# Altium PCB AVALON2_21b.PcbDoc (part 2 of 7)
Units mil, origin at the board's own origin, x right, y up, seen from the top; angles counter-clockwise.
Board outline 5250 x 3000 mil, 4 copper layers (Top Layer, Mid-Layer 1, Mid-Layer 2, Bottom Layer); 460 components, 80 nets, 2011 pads, 1492 vias.
Unrouted connection lines stored in the file: 78.
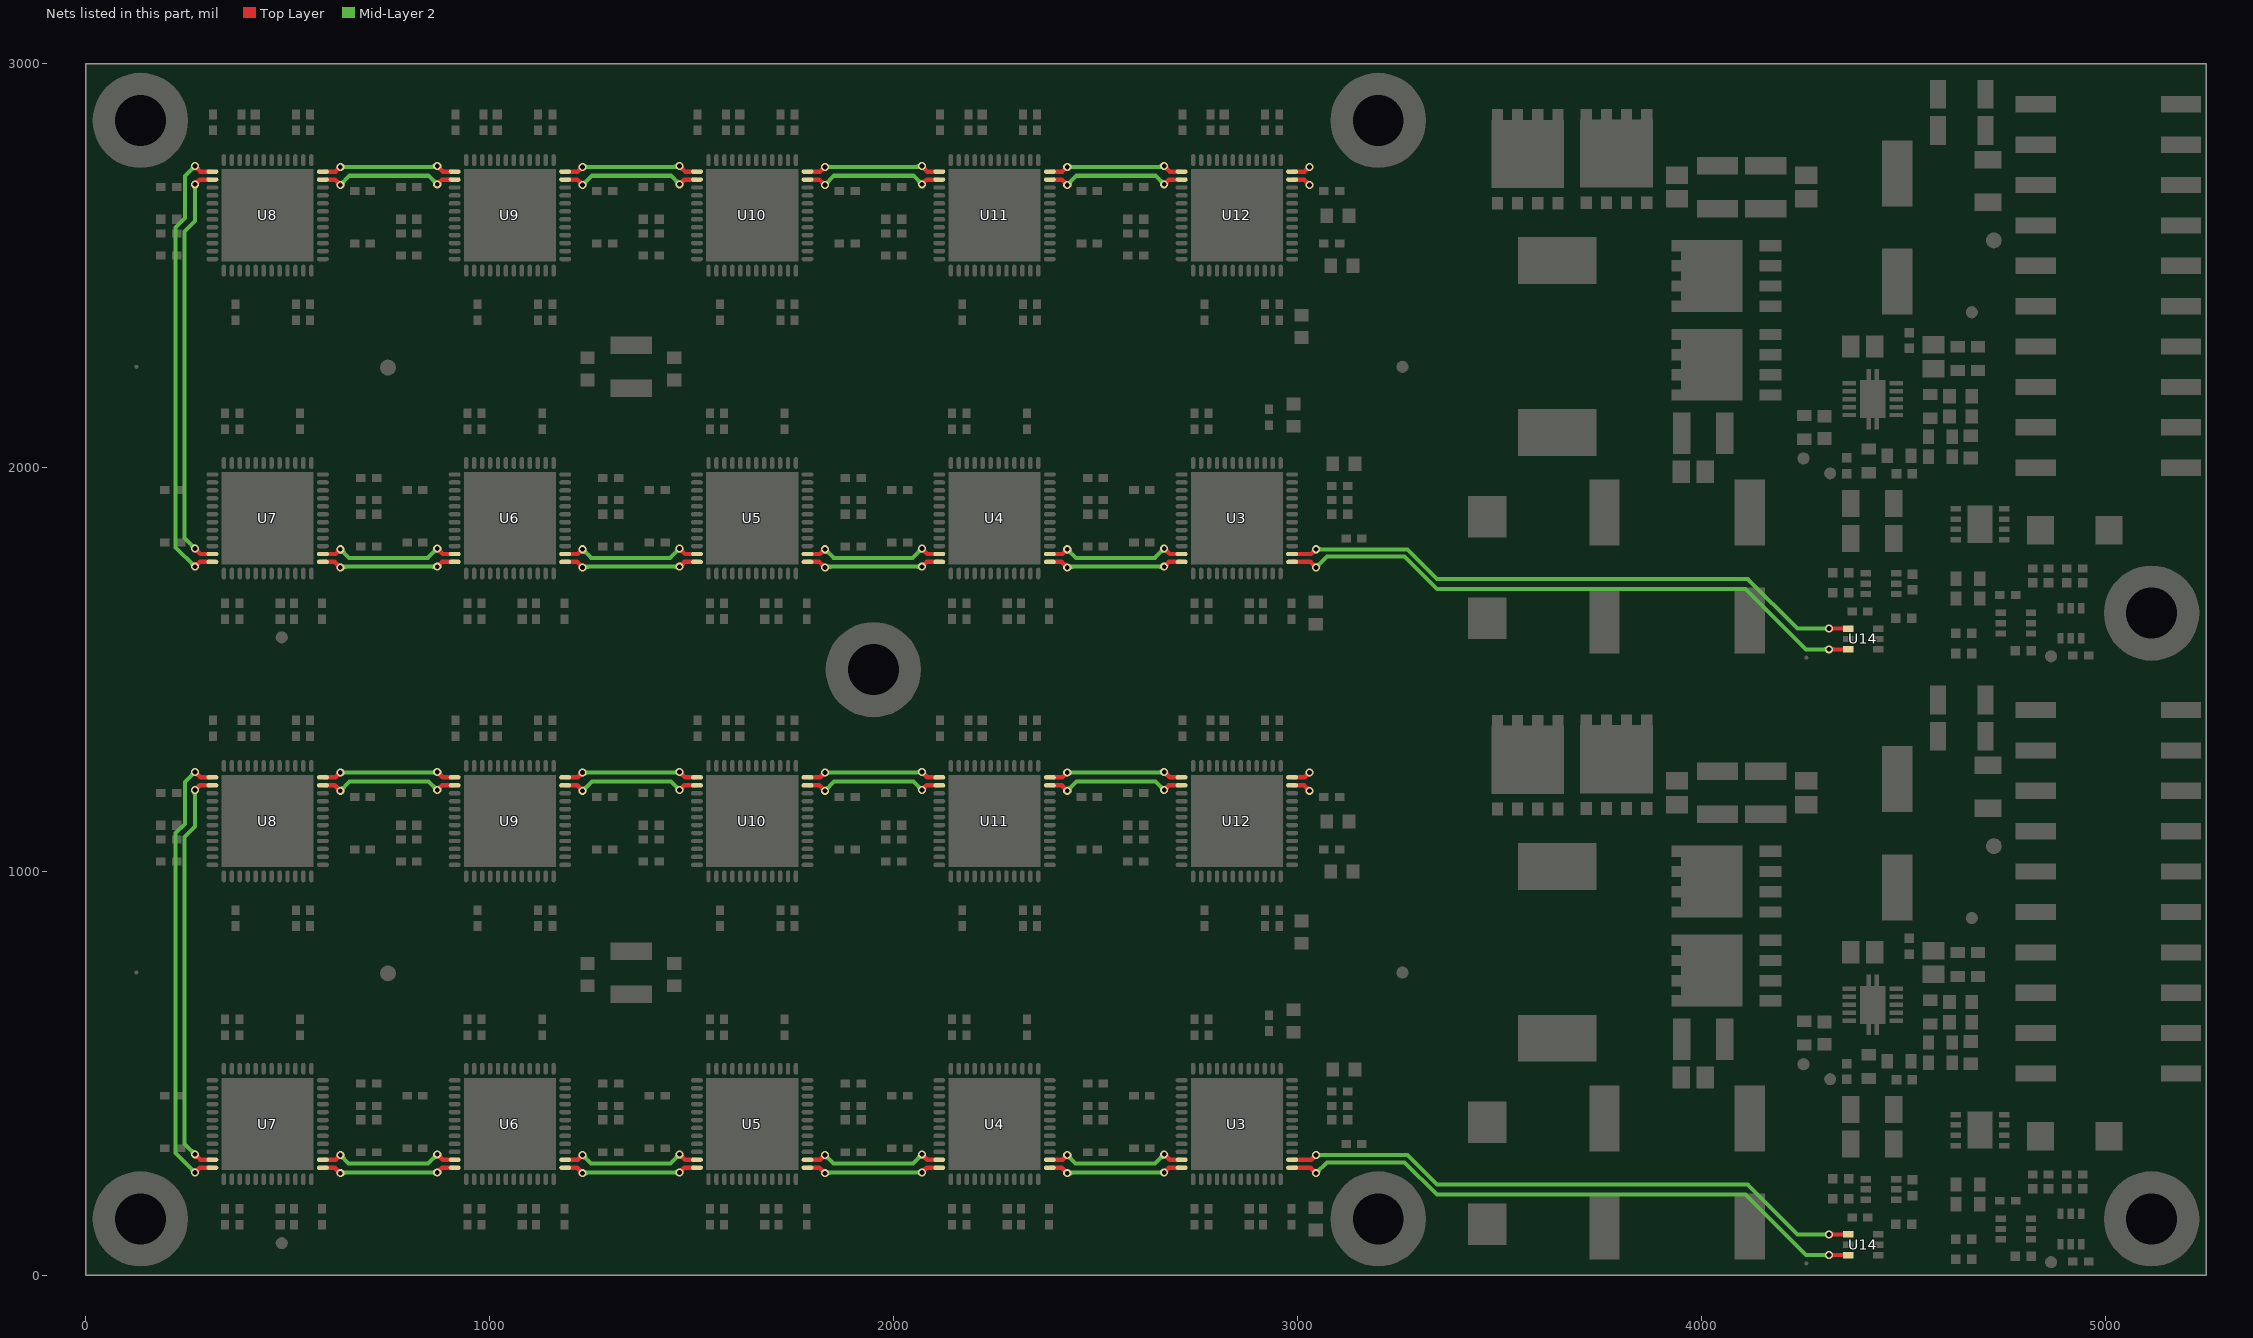
[diagram p4: the nets of this part, all layers, seen from the top]

## Via types
v1: diameter 32, hole 18, Top Layer to Bottom Layer, tented both sides, 846 vias
v2: diameter 20, hole 12, Top Layer to Bottom Layer, tented both sides, 458 vias
v3: diameter 20, hole 12, Top Layer to Bottom Layer, tented bottom, 154 vias
v4: diameter 50, hole 20, Top Layer to Bottom Layer, tented both sides, 16 vias
v5: diameter 23.62, hole 11.81, Top Layer to Bottom Layer, tented bottom, 10 vias
v6: diameter 25.98, hole 12.99, Top Layer to Bottom Layer, tented top, 4 vias
v7: diameter 20, hole 12, Top Layer to Bottom Layer, 4 vias

## Nets (pads, with @x,y where several pads share a name; then routed paths per layer and width w, separated by ;. In a path a pad name is that pad's centre, name@x,y a point inside that pad or via, vN(x,y) a via of type N, cw(c..) or ccw(c..) an arc to the next point about the centre after c; other vN are vias at no path point) (continued)
CONFIG_N: U3.2 U14.4 | length 3051.6
  Top Layer w10: v3@4320.13,98.05 cw(c4328.66,89.52) 4328.66,101.59 cw(c4328.66,113.66) v3@4320.13,105.13 ; v3@4320.13,1598.05 cw(c4328.66,1589.52) 4328.66,1601.59 cw(c4328.66,1613.66) v3@4320.13,1605.13 ; 4326.59,101.59 U14.4@4363.6,101.59 ; 4326.59,1601.59 U14.4@4363.6,1601.59
  Top Layer w11: U3.2@2988,286.42 3034.27,286.42 v3(3046,298.15) ; U3.2@2988,1786.42 3034.27,1786.42 v3(3046,1798.15) ; v3@3041.5,298.15 cw(c3030.64,298.15) 3038.32,290.47 cw(c3046,282.79) v3@3046,293.65 ; v3@3041.5,1798.15 cw(c3030.64,1798.15) 3038.32,1790.47 cw(c3046,1782.79) v3@3046,1793.65
  Mid-Layer 2 w10: v3(3046,298.15) 3046.15,298 3272.46,298 3345.46,225 4115,225 4238.41,101.59 v3(4316.59,101.59) ; v3(3046,1798.15) 3046.15,1798 3272.46,1798 3345.46,1725 4115,1725 4238.41,1601.59 v3(4316.59,1601.59) ; v3@3049.54,294.61 cw(c3057.71,286.44) 3057.71,298 ; v3@3049.54,301.69 ccw(c3058.43,310.58) 3058.43,298 ; v3@3049.54,1794.61 cw(c3057.71,1786.44) 3057.71,1798 ; v3@3049.54,1801.69 ccw(c3058.43,1810.58) 3058.43,1798 ; v3@4313.05,98.05 ccw(c4304.52,89.52) 4304.52,101.59 ccw(c4304.52,113.66) v3@4313.05,105.13 ; v3@4313.05,1598.05 ccw(c4304.52,1589.52) 4304.52,1601.59 ccw(c4304.52,1613.66) v3@4313.05,1605.13
CONFIG_NO1: U3.35 U4.2 | length 843.7
  Top Layer w11: U4.2@2388.78,286.42 2418.27,286.42 v3(2430,298.15) ; U4.2@2388.78,1786.42 2418.27,1786.42 v3(2430,1798.15) ; v3@2425.5,298.15 cw(c2414.64,298.15) 2422.32,290.47 cw(c2430,282.79) v3@2430,293.65 ; v3@2425.5,1798.15 cw(c2414.64,1798.15) 2422.32,1790.47 cw(c2430,1782.79) v3@2430,1793.65 ; v3@2670,295.5 cw(c2670,284.64) 2677.68,292.32 cw(c2685.36,300) v3@2674.5,300 ; v3(2670,300) 2683.58,286.42 U3.35@2711.22,286.42 ; v3@2670,1795.5 cw(c2670,1784.64) 2677.68,1792.32 cw(c2685.36,1800) v3@2674.5,1800 ; v3(2670,1800) 2683.58,1786.42 U3.35@2711.22,1786.42
  Mid-Layer 2 w10: v3@2430,293.15 cw(c2430,281.08) 2438.54,289.61 cw(c2447.07,298.15) v3@2435,298.15 ; v3(2430,298.15) 2450.65,277.5 ; v3@2430,1793.15 cw(c2430,1781.08) 2438.54,1789.61 cw(c2447.07,1798.15) v3@2435,1798.15 ; v3(2430,1798.15) 2450.65,1777.5 ; 2451.15,277 2647,277 ; 2451.15,1777 2647,1777 ; 2647.5,277.5 v3(2670,300) ; 2647.5,1777.5 v3(2670,1800) ; v3@2665,300 cw(c2652.93,300) 2661.46,291.46 cw(c2670,282.93) v3@2670,295 ; v3@2665,1800 cw(c2652.93,1800) 2661.46,1791.46 cw(c2670,1782.93) v3@2670,1795
CONFIG_NO2: U4.35 U5.2 | length 843.7
  Top Layer w11: U5.2@1788.78,286.42 1818.27,286.42 v3(1830,298.15) ; U5.2@1788.78,1786.42 1818.27,1786.42 v3(1830,1798.15) ; v3@1825.5,298.15 cw(c1814.64,298.15) 1822.32,290.47 cw(c1830,282.79) v3@1830,293.65 ; v3@1825.5,1798.15 cw(c1814.64,1798.15) 1822.32,1790.47 cw(c1830,1782.79) v3@1830,1793.65 ; v3@2070,295.5 cw(c2070,284.64) 2077.68,292.32 cw(c2085.36,300) v3@2074.5,300 ; v3(2070,300) 2083.58,286.42 U4.35@2111.22,286.42 ; v3@2070,1795.5 cw(c2070,1784.64) 2077.68,1792.32 cw(c2085.36,1800) v3@2074.5,1800 ; v3(2070,1800) 2083.58,1786.42 U4.35@2111.22,1786.42
  Mid-Layer 2 w10: v3@1830,293.15 cw(c1830,281.08) 1838.54,289.61 cw(c1847.07,298.15) v3@1835,298.15 ; v3(1830,298.15) 1850.65,277.5 ; v3@1830,1793.15 cw(c1830,1781.08) 1838.54,1789.61 cw(c1847.07,1798.15) v3@1835,1798.15 ; v3(1830,1798.15) 1850.65,1777.5 ; 1851.15,277 2047,277 ; 1851.15,1777 2047,1777 ; 2047.5,277.5 v3(2070,300) ; 2047.5,1777.5 v3(2070,1800) ; v3@2065,300 cw(c2052.93,300) 2061.46,291.46 cw(c2070,282.93) v3@2070,295 ; v3@2065,1800 cw(c2052.93,1800) 2061.46,1791.46 cw(c2070,1782.93) v3@2070,1795
CONFIG_NO3: U5.35 U6.2 | length 843.7
  Top Layer w11: U6.2@1188.78,286.42 1218.27,286.42 v3(1230,298.15) ; U6.2@1188.78,1786.42 1218.27,1786.42 v3(1230,1798.15) ; v3@1225.5,298.15 cw(c1214.64,298.15) 1222.32,290.47 cw(c1230,282.79) v3@1230,293.65 ; v3@1225.5,1798.15 cw(c1214.64,1798.15) 1222.32,1790.47 cw(c1230,1782.79) v3@1230,1793.65 ; v3@1470,295.5 cw(c1470,284.64) 1477.68,292.32 cw(c1485.36,300) v3@1474.5,300 ; v3(1470,300) 1483.58,286.42 U5.35@1511.22,286.42 ; v3@1470,1795.5 cw(c1470,1784.64) 1477.68,1792.32 cw(c1485.36,1800) v3@1474.5,1800 ; v3(1470,1800) 1483.58,1786.42 U5.35@1511.22,1786.42
  Mid-Layer 2 w10: v3@1230,293.15 cw(c1230,281.08) 1238.54,289.61 cw(c1247.07,298.15) v3@1235,298.15 ; v3(1230,298.15) 1250.65,277.5 ; v3@1230,1793.15 cw(c1230,1781.08) 1238.54,1789.61 cw(c1247.07,1798.15) v3@1235,1798.15 ; v3(1230,1798.15) 1250.65,1777.5 ; 1251.15,277 1447,277 ; 1251.15,1777 1447,1777 ; 1447.5,277.5 v3(1470,300) ; 1447.5,1777.5 v3(1470,1800) ; v3@1465,300 cw(c1452.93,300) 1461.46,291.46 cw(c1470,282.93) v3@1470,295 ; v3@1465,1800 cw(c1452.93,1800) 1461.46,1791.46 cw(c1470,1782.93) v3@1470,1795
CONFIG_NO4: U6.35 U7.2 | length 843.7
  Top Layer w11: U7.2@588.78,286.42 618.27,286.42 v3(630,298.15) ; U7.2@588.78,1786.42 618.27,1786.42 v3(630,1798.15) ; v3@625.5,298.15 cw(c614.64,298.15) 622.32,290.47 cw(c630,282.79) v3@630,293.65 ; v3@625.5,1798.15 cw(c614.64,1798.15) 622.32,1790.47 cw(c630,1782.79) v3@630,1793.65 ; v3@870,295.5 cw(c870,284.64) 877.68,292.32 cw(c885.36,300) v3@874.5,300 ; v3(870,300) 883.58,286.42 U6.35@911.22,286.42 ; v3@870,1795.5 cw(c870,1784.64) 877.68,1792.32 cw(c885.36,1800) v3@874.5,1800 ; v3(870,1800) 883.58,1786.42 U6.35@911.22,1786.42
  Mid-Layer 2 w10: v3@630,293.15 cw(c630,281.08) 638.54,289.61 cw(c647.07,298.15) v3@635,298.15 ; v3(630,298.15) 650.65,277.5 ; v3@630,1793.15 cw(c630,1781.08) 638.54,1789.61 cw(c647.07,1798.15) v3@635,1798.15 ; v3(630,1798.15) 650.65,1777.5 ; 651.15,277 847,277 ; 651.15,1777 847,1777 ; 847.5,277.5 v3(870,300) ; 847.5,1777.5 v3(870,1800) ; v3@865,300 cw(c852.93,300) 861.46,291.46 cw(c870,282.93) v3@870,295 ; v3@865,1800 cw(c852.93,1800) 861.46,1791.46 cw(c870,1782.93) v3@870,1795
CONFIG_NO5: U7.35 U8.2 | length 2176.7
  Top Layer w11: v3@270,295.5 cw(c270,284.64) 277.68,292.32 cw(c285.36,300) v3@274.5,300 ; v3(270,300) 283.58,286.42 U7.35@311.22,286.42 ; v3(270,1201.85) 281.73,1213.58 U8.2@311.22,1213.58 ; v3@270,1206.35 ccw(c270,1217.21) 277.68,1209.53 ccw(c285.36,1201.85) v3@274.5,1201.85 ; v3@270,1795.5 cw(c270,1784.64) 277.68,1792.32 cw(c285.36,1800) v3@274.5,1800 ; v3(270,1800) 283.58,1786.42 U7.35@311.22,1786.42 ; v3(270,2701.85) 281.73,2713.58 U8.2@311.22,2713.58 ; v3@270,2706.35 ccw(c270,2717.21) 277.68,2709.53 ccw(c285.36,2701.85) v3@274.5,2701.85
  Mid-Layer 2 w10: v3@265,300 ccw(c252.93,300) 261.46,308.54 ccw(c270,317.07) v3@270,305 ; v3@265,1800 ccw(c252.93,1800) 261.46,1808.54 ccw(c270,1817.07) v3@270,1805 ; v3@266.46,1198.31 cw(c257.93,1189.78) 270,1189.78 cw(c282.07,1189.78) v3@273.54,1198.31 ; v3@266.46,2698.31 cw(c257.93,2689.78) 270,2689.78 cw(c282.07,2689.78) v3@273.54,2698.31 ; v3(270,300) 244,326 244,1085.14 270,1111.14 v3(270,1201.85) ; v3(270,1800) 244,1826 244,2585.14 270,2611.14 v3(270,2701.85)
CONFIG_NO6: U8.35 U9.2 | length 840.9
  Top Layer w11: U8.35@588.78,1213.58 616.42,1213.58 v3(630,1200) ; U8.35@588.78,2713.58 616.42,2713.58 v3(630,2700) ; v3@625.5,1200 ccw(c614.64,1200) 622.32,1207.68 ccw(c630,1215.36) v3@630,1204.5 ; v3@625.5,2700 ccw(c614.64,2700) 622.32,2707.68 ccw(c630,2715.36) v3@630,2704.5 ; v3(870,1201.85) 881.73,1213.58 U9.2@911.22,1213.58 ; v3@870,1206.35 ccw(c870,1217.21) 877.68,1209.53 ccw(c885.36,1201.85) v3@874.5,1201.85 ; v3(870,2701.85) 881.73,2713.58 U9.2@911.22,2713.58 ; v3@870,2706.35 ccw(c870,2717.21) 877.68,2709.53 ccw(c885.36,2701.85) v3@874.5,2701.85
  Mid-Layer 2 w10: v3(630,1200) 652,1222 ; v3@630,1205 ccw(c630,1217.07) 638.54,1208.54 ccw(c647.07,1200) v3@635,1200 ; v3(630,2700) 652,2722 ; v3@630,2705 ccw(c630,2717.07) 638.54,2708.54 ccw(c647.07,2700) v3@635,2700 ; 653,1223 848.85,1223 ; 653,2723 848.85,2723 ; 849.85,1222 v3(870,1201.85) ; 849.85,2722 v3(870,2701.85) ; v3@865,1201.85 ccw(c852.93,1201.85) 861.46,1210.39 ccw(c870,1218.92) v3@870,1206.85 ; v3@865,2701.85 ccw(c852.93,2701.85) 861.46,2710.39 ccw(c870,2718.92) v3@870,2706.85
CONFIG_NO7: U9.35 U10.2 | length 846.5
  Top Layer w11: U9.35@1188.78,1213.58 1216.42,1213.58 v3(1230,1200) ; U9.35@1188.78,2713.58 1216.42,2713.58 v3(1230,2700) ; v3@1225.5,1200 ccw(c1214.64,1200) 1222.32,1207.68 ccw(c1230,1215.36) v3@1230,1204.5 ; v3@1225.5,2700 ccw(c1214.64,2700) 1222.32,2707.68 ccw(c1230,2715.36) v3@1230,2704.5 ; v3(1470,1201.85) 1481.73,1213.58 U10.2@1511.22,1213.58 ; v3@1470,1206.35 ccw(c1470,1217.21) 1477.68,1209.53 ccw(c1485.36,1201.85) v3@1474.5,1201.85 ; v3(1470,2701.85) 1481.73,2713.58 U10.2@1511.22,2713.58 ; v3@1470,2706.35 ccw(c1470,2717.21) 1477.68,2709.53 ccw(c1485.36,2701.85) v3@1474.5,2701.85
  Mid-Layer 2 w10: v3(1230,1200) 1253,1223 1448.85,1223 v3(1470,1201.85) ; v3@1230,1205 ccw(c1230,1217.07) 1238.54,1208.54 ccw(c1247.07,1200) v3@1235,1200 ; v3(1230,2700) 1253,2723 1448.85,2723 v3(1470,2701.85) ; v3@1230,2705 ccw(c1230,2717.07) 1238.54,2708.54 ccw(c1247.07,2700) v3@1235,2700 ; v3@1465,1201.85 ccw(c1452.93,1201.85) 1461.46,1210.39 ccw(c1470,1218.92) v3@1470,1206.85 ; v3@1465,2701.85 ccw(c1452.93,2701.85) 1461.46,2710.39 ccw(c1470,2718.92) v3@1470,2706.85
CONFIG_NO8: U10.35 U11.2 | length 846.5
  Top Layer w11: U10.35@1788.78,1213.58 1816.42,1213.58 v3(1830,1200) ; U10.35@1788.78,2713.58 1816.42,2713.58 v3(1830,2700) ; v3@1825.5,1200 ccw(c1814.64,1200) 1822.32,1207.68 ccw(c1830,1215.36) v3@1830,1204.5 ; v3@1825.5,2700 ccw(c1814.64,2700) 1822.32,2707.68 ccw(c1830,2715.36) v3@1830,2704.5 ; v3(2070,1201.85) 2081.73,1213.58 U11.2@2111.22,1213.58 ; v3@2070,1206.35 ccw(c2070,1217.21) 2077.68,1209.53 ccw(c2085.36,1201.85) v3@2074.5,1201.85 ; v3(2070,2701.85) 2081.73,2713.58 U11.2@2111.22,2713.58 ; v3@2070,2706.35 ccw(c2070,2717.21) 2077.68,2709.53 ccw(c2085.36,2701.85) v3@2074.5,2701.85
  Mid-Layer 2 w10: v3(1830,1200) 1853,1223 2048.85,1223 v3(2070,1201.85) ; v3@1830,1205 ccw(c1830,1217.07) 1838.54,1208.54 ccw(c1847.07,1200) v3@1835,1200 ; v3(1830,2700) 1853,2723 2048.85,2723 v3(2070,2701.85) ; v3@1830,2705 ccw(c1830,2717.07) 1838.54,2708.54 ccw(c1847.07,2700) v3@1835,2700 ; v3@2065,1201.85 ccw(c2052.93,1201.85) 2061.46,1210.39 ccw(c2070,1218.92) v3@2070,1206.85 ; v3@2065,2701.85 ccw(c2052.93,2701.85) 2061.46,2710.39 ccw(c2070,2718.92) v3@2070,2706.85
CONFIG_NO9: U11.35 U12.2 | length 846.5
  Top Layer w11: U11.35@2388.78,1213.58 2416.42,1213.58 v3(2430,1200) ; U11.35@2388.78,2713.58 2416.42,2713.58 v3(2430,2700) ; v3@2425.5,1200 ccw(c2414.64,1200) 2422.32,1207.68 ccw(c2430,1215.36) v3@2430,1204.5 ; v3@2425.5,2700 ccw(c2414.64,2700) 2422.32,2707.68 ccw(c2430,2715.36) v3@2430,2704.5 ; v3(2670,1201.85) 2681.73,1213.58 U12.2@2711.22,1213.58 ; v3@2670,1206.35 ccw(c2670,1217.21) 2677.68,1209.53 ccw(c2685.36,1201.85) v3@2674.5,1201.85 ; v3(2670,2701.85) 2681.73,2713.58 U12.2@2711.22,2713.58 ; v3@2670,2706.35 ccw(c2670,2717.21) 2677.68,2709.53 ccw(c2685.36,2701.85) v3@2674.5,2701.85
  Mid-Layer 2 w10: v3(2430,1200) 2453,1223 2648.85,1223 v3(2670,1201.85) ; v3@2430,1205 ccw(c2430,1217.07) 2438.54,1208.54 ccw(c2447.07,1200) v3@2435,1200 ; v3(2430,2700) 2453,2723 2648.85,2723 v3(2670,2701.85) ; v3@2430,2705 ccw(c2430,2717.07) 2438.54,2708.54 ccw(c2447.07,2700) v3@2435,2700 ; v3@2665,1201.85 ccw(c2652.93,1201.85) 2661.46,1210.39 ccw(c2670,1218.92) v3@2670,1206.85 ; v3@2665,2701.85 ccw(c2652.93,2701.85) 2661.46,2710.39 ccw(c2670,2718.92) v3@2670,2706.85
CONFIG_NO10: U12.35 | length 127.8
  Top Layer w11: U12.35@2988.78,1213.58 3016.42,1213.58 v3(3030,1200) ; U12.35@2988.78,2713.58 3016.42,2713.58 v3(3030,2700) ; v3@3025.5,1200 ccw(c3014.64,1200) 3022.32,1207.68 ccw(c3030,1215.36) v3@3030,1204.5 ; v3@3025.5,2700 ccw(c3014.64,2700) 3022.32,2707.68 ccw(c3030,2715.36) v3@3030,2704.5
CONFIG_P: U3.1 U14.6 | length 3100.8
  Top Layer w10: v3@4320.13,46.87 cw(c4328.66,38.34) 4328.66,50.41 cw(c4328.66,62.48) v3@4320.13,53.94 ; v3@4320.13,1546.87 cw(c4328.66,1538.34) 4328.66,1550.41 cw(c4328.66,1562.48) v3@4320.13,1553.94 ; 4326.59,50.41 U14.6@4363.6,50.41 ; 4326.59,1550.41 U14.6@4363.6,1550.41
  Top Layer w11: U3.1@2989,266.73 3032.42,266.73 v3(3046,253.15) ; U3.1@2989,1766.73 3032.42,1766.73 v3(3046,1753.15) ; v3@3041.5,253.15 ccw(c3030.64,253.15) 3038.32,260.83 ccw(c3046,268.51) v3@3046,257.65 ; v3@3041.5,1753.15 ccw(c3030.64,1753.15) 3038.32,1760.83 ccw(c3046,1768.51) v3@3046,1757.65
  Mid-Layer 2 w10: v3(3046,253.15) 3072.85,280 3265,280 3345,200 4110,200 4259.59,50.41 v3(4316.59,50.41) ; v3@3046,258.15 ccw(c3046,270.22) 3054.54,261.69 ccw(c3063.07,253.15) v3@3051,253.15 ; v3(3046,1753.15) 3072.85,1780 3265,1780 3345,1700 4110,1700 4259.59,1550.41 v3(4316.59,1550.41) ; v3@3046,1758.15 ccw(c3046,1770.22) 3054.54,1761.69 ccw(c3063.07,1753.15) v3@3051,1753.15 ; v3@4313.06,46.87 ccw(c4304.52,38.34) 4304.52,50.41 ccw(c4304.52,62.48) v3@4313.06,53.94 ; v3@4313.06,1546.87 ccw(c4304.52,1538.34) 4304.52,1550.41 ccw(c4304.52,1562.48) v3@4313.06,1553.94
CONFIG_PO1: U3.36 U4.1 | length 802.5
  Top Layer w11: U4.1@2388.78,266.73 2416.42,266.73 v3(2430,253.15) ; U4.1@2388.78,1766.73 2416.42,1766.73 v3(2430,1753.15) ; v3@2425.5,253.15 ccw(c2414.64,253.15) 2422.32,260.83 ccw(c2430,268.51) v3@2430,257.65 ; v3@2425.5,1753.15 ccw(c2414.64,1753.15) 2422.32,1760.83 ccw(c2430,1768.51) v3@2430,1757.65 ; v3(2670,255) 2681.73,266.73 U3.36@2711.22,266.73 ; v3@2670,259.5 ccw(c2670,270.36) 2677.68,262.68 ccw(c2685.36,255) v3@2674.5,255 ; v3(2670,1755) 2681.73,1766.73 U3.36@2711.22,1766.73 ; v3@2670,1759.5 ccw(c2670,1770.36) 2677.68,1762.68 ccw(c2685.36,1755) v3@2674.5,1755
  Mid-Layer 2 w10: v3@2431.85,255 v3(2670,255) v3@2668.15,253.15 ; v3@2431.85,1755 v3(2670,1755) v3@2668.15,1753.15 ; v3@2433.54,249.61 cw(c2446.54,236.61) 2446.54,255 ; v3@2433.54,1749.61 cw(c2446.54,1736.61) 2446.54,1755 ; v3@2666.46,251.46 ccw(c2657.93,242.93) 2657.93,255 ccw(c2657.93,267.07) v3@2666.46,258.54 ; v3@2666.46,1751.46 ccw(c2657.93,1742.93) 2657.93,1755 ccw(c2657.93,1767.07) v3@2666.46,1758.54
CONFIG_PO2: U4.36 U5.1 | length 797.2
  Top Layer w11: U5.1@1788.78,266.73 1816.42,266.73 v3(1830,253.15) ; U5.1@1788.78,1766.73 1816.42,1766.73 v3(1830,1753.15) ; v3@1825.5,253.15 ccw(c1814.64,253.15) 1822.32,260.83 ccw(c1830,268.51) v3@1830,257.65 ; v3@1825.5,1753.15 ccw(c1814.64,1753.15) 1822.32,1760.83 ccw(c1830,1768.51) v3@1830,1757.65 ; v3(2070,255) 2081.73,266.73 U4.36@2111.22,266.73 ; v3@2070,259.5 ccw(c2070,270.36) 2077.68,262.68 ccw(c2085.36,255) v3@2074.5,255 ; v3(2070,1755) 2081.73,1766.73 U4.36@2111.22,1766.73 ; v3@2070,1759.5 ccw(c2070,1770.36) 2077.68,1762.68 ccw(c2085.36,1755) v3@2074.5,1755
  Mid-Layer 2 w10: v3@1831.85,255 v3(2070,255) ; v3@1831.85,1755 v3(2070,1755) ; v3@1833.54,249.61 cw(c1846.54,236.61) 1846.54,255 ; v3@1833.54,1749.61 cw(c1846.54,1736.61) 1846.54,1755 ; v3@2066.46,251.46 ccw(c2057.93,242.93) 2057.93,255 ccw(c2057.93,267.07) v3@2066.46,258.54 ; v3@2066.46,1751.46 ccw(c2057.93,1742.93) 2057.93,1755 ccw(c2057.93,1767.07) v3@2066.46,1758.54
CONFIG_PO3: U5.36 U6.1 | length 797.2
  Top Layer w11: U6.1@1188.78,266.73 1216.42,266.73 v3(1230,253.15) ; U6.1@1188.78,1766.73 1216.42,1766.73 v3(1230,1753.15) ; v3@1225.5,253.15 ccw(c1214.64,253.15) 1222.32,260.83 ccw(c1230,268.51) v3@1230,257.65 ; v3@1225.5,1753.15 ccw(c1214.64,1753.15) 1222.32,1760.83 ccw(c1230,1768.51) v3@1230,1757.65 ; v3(1470,255) 1481.73,266.73 U5.36@1511.22,266.73 ; v3@1470,259.5 ccw(c1470,270.36) 1477.68,262.68 ccw(c1485.36,255) v3@1474.5,255 ; v3(1470,1755) 1481.73,1766.73 U5.36@1511.22,1766.73 ; v3@1470,1759.5 ccw(c1470,1770.36) 1477.68,1762.68 ccw(c1485.36,1755) v3@1474.5,1755
  Mid-Layer 2 w10: v3@1231.85,255 v3(1470,255) ; v3@1231.85,1755 v3(1470,1755) ; v3@1233.54,249.61 cw(c1246.54,236.61) 1246.54,255 ; v3@1233.54,1749.61 cw(c1246.54,1736.61) 1246.54,1755 ; v3@1466.46,251.46 ccw(c1457.93,242.93) 1457.93,255 ccw(c1457.93,267.07) v3@1466.46,258.54 ; v3@1466.46,1751.46 ccw(c1457.93,1742.93) 1457.93,1755 ccw(c1457.93,1767.07) v3@1466.46,1758.54
CONFIG_PO4: U6.36 U7.1 | length 797.2
  Top Layer w11: U7.1@588.78,266.73 616.42,266.73 v3(630,253.15) ; U7.1@588.78,1766.73 616.42,1766.73 v3(630,1753.15) ; v3@625.5,253.15 ccw(c614.64,253.15) 622.32,260.83 ccw(c630,268.51) v3@630,257.65 ; v3@625.5,1753.15 ccw(c614.64,1753.15) 622.32,1760.83 ccw(c630,1768.51) v3@630,1757.65 ; v3(870,255) 881.73,266.73 U6.36@911.22,266.73 ; v3@870,259.5 ccw(c870,270.36) 877.68,262.68 ccw(c885.36,255) v3@874.5,255 ; v3(870,1755) 881.73,1766.73 U6.36@911.22,1766.73 ; v3@870,1759.5 ccw(c870,1770.36) 877.68,1762.68 ccw(c885.36,1755) v3@874.5,1755
  Mid-Layer 2 w10: v3@631.85,255 v3(870,255) ; v3@631.85,1755 v3(870,1755) ; v3@633.54,249.61 cw(c646.54,236.61) 646.54,255 ; v3@633.54,1749.61 cw(c646.54,1736.61) 646.54,1755 ; v3@866.46,251.46 ccw(c857.93,242.93) 857.93,255 ccw(c857.93,267.07) v3@866.46,258.54 ; v3@866.46,1751.46 ccw(c857.93,1742.93) 857.93,1755 ccw(c857.93,1767.07) v3@866.46,1758.54
CONFIG_PO5: U7.36 U8.1 | length 2393.2
  Top Layer w11: v3(270,255) 281.73,266.73 U7.36@311.22,266.73 ; v3@270,259.5 ccw(c270,270.36) 277.68,262.68 ccw(c285.36,255) v3@274.5,255 ; v3@270,1242.35 cw(c270,1231.49) 277.68,1239.17 cw(c285.36,1246.85) v3@274.5,1246.85 ; v3(270,1246.85) 283.58,1233.27 U8.1@311.22,1233.27 ; v3(270,1755) 281.73,1766.73 U7.36@311.22,1766.73 ; v3@270,1759.5 ccw(c270,1770.36) 277.68,1762.68 ccw(c285.36,1755) v3@274.5,1755 ; v3@270,2742.35 cw(c270,2731.49) 277.68,2739.17 cw(c285.36,2746.85) v3@274.5,2746.85 ; v3(270,2746.85) 283.58,2733.27 U8.1@311.22,2733.27
  Mid-Layer 2 w10: v3@265,255 ccw(c252.93,255) 261.46,263.54 ccw(c270,272.07) v3@270,260 ; v3@265,1246.85 cw(c252.93,1246.85) 261.46,1238.31 cw(c270,1229.78) v3@270,1241.85 ; v3@265,1755 ccw(c252.93,1755) 261.46,1763.54 ccw(c270,1772.07) v3@270,1760 ; v3@265,2746.85 cw(c252.93,2746.85) 261.46,2738.31 cw(c270,2729.78) v3@270,2741.85 ; v3(270,255) 222,303 222,1095 245,1118 245,1221.85 v3(270,1246.85) ; v3(270,1755) 222,1803 222,2595 245,2618 245,2721.85 v3(270,2746.85)
CONFIG_PO6: U8.36 U9.1 | length 802.5
  Top Layer w11: U8.36@588.78,1233.27 618.27,1233.27 v3(630,1245) ; U8.36@588.78,2733.27 618.27,2733.27 v3(630,2745) ; v3@625.5,1245 cw(c614.64,1245) 622.32,1237.32 cw(c630,1229.64) v3@630,1240.5 ; v3@625.5,2745 cw(c614.64,2745) 622.32,2737.32 cw(c630,2729.64) v3@630,2740.5 ; v3@870,1242.35 cw(c870,1231.49) 877.68,1239.17 cw(c885.36,1246.85) v3@874.5,1246.85 ; v3(870,1246.85) 883.58,1233.27 U9.1@911.22,1233.27 ; v3@870,2742.35 cw(c870,2731.49) 877.68,2739.17 cw(c885.36,2746.85) v3@874.5,2746.85 ; v3(870,2746.85) 883.58,2733.27 U9.1@911.22,2733.27
  Mid-Layer 2 w10: v3(630,1245) 868.15,1245 v3(870,1246.85) ; v3(630,2745) 868.15,2745 v3(870,2746.85) ; v3@633.54,1241.46 cw(c642.07,1232.93) 642.07,1245 cw(c642.07,1257.07) v3@633.54,1248.54 ; v3@633.54,2741.46 cw(c642.07,2732.93) 642.07,2745 cw(c642.07,2757.07) v3@633.54,2748.54 ; 853.46,1245 ccw(c853.46,1263.39) v3@866.46,1250.39 ; 853.46,2745 ccw(c853.46,2763.39) v3@866.46,2750.39
CONFIG_PO7: U9.36 U10.1 | length 802.5
  Top Layer w11: U9.36@1188.78,1233.27 1218.27,1233.27 v3(1230,1245) ; U9.36@1188.78,2733.27 1218.27,2733.27 v3(1230,2745) ; v3@1225.5,1245 cw(c1214.64,1245) 1222.32,1237.32 cw(c1230,1229.64) v3@1230,1240.5 ; v3@1225.5,2745 cw(c1214.64,2745) 1222.32,2737.32 cw(c1230,2729.64) v3@1230,2740.5 ; v3@1470,1242.35 cw(c1470,1231.49) 1477.68,1239.17 cw(c1485.36,1246.85) v3@1474.5,1246.85 ; v3(1470,1246.85) 1483.58,1233.27 U10.1@1511.22,1233.27 ; v3@1470,2742.35 cw(c1470,2731.49) 1477.68,2739.17 cw(c1485.36,2746.85) v3@1474.5,2746.85 ; v3(1470,2746.85) 1483.58,2733.27 U10.1@1511.22,2733.27
  Mid-Layer 2 w10: v3(1230,1245) 1468.15,1245 v3(1470,1246.85) ; v3(1230,2745) 1468.15,2745 v3(1470,2746.85) ; v3@1233.54,1241.46 cw(c1242.07,1232.93) 1242.07,1245 cw(c1242.07,1257.07) v3@1233.54,1248.54 ; v3@1233.54,2741.46 cw(c1242.07,2732.93) 1242.07,2745 cw(c1242.07,2757.07) v3@1233.54,2748.54 ; 1453.46,1245 ccw(c1453.46,1263.39) v3@1466.46,1250.39 ; 1453.46,2745 ccw(c1453.46,2763.39) v3@1466.46,2750.39
CONFIG_PO8: U10.36 U11.1 | length 802.5
  Top Layer w11: U10.36@1788.78,1233.27 1818.27,1233.27 v3(1830,1245) ; U10.36@1788.78,2733.27 1818.27,2733.27 v3(1830,2745) ; v3@1825.5,1245 cw(c1814.64,1245) 1822.32,1237.32 cw(c1830,1229.64) v3@1830,1240.5 ; v3@1825.5,2745 cw(c1814.64,2745) 1822.32,2737.32 cw(c1830,2729.64) v3@1830,2740.5 ; v3@2070,1242.35 cw(c2070,1231.49) 2077.68,1239.17 cw(c2085.36,1246.85) v3@2074.5,1246.85 ; v3(2070,1246.85) 2083.58,1233.27 U11.1@2111.22,1233.27 ; v3@2070,2742.35 cw(c2070,2731.49) 2077.68,2739.17 cw(c2085.36,2746.85) v3@2074.5,2746.85 ; v3(2070,2746.85) 2083.58,2733.27 U11.1@2111.22,2733.27
  Mid-Layer 2 w10: v3(1830,1245) 2068.15,1245 v3(2070,1246.85) ; v3(1830,2745) 2068.15,2745 v3(2070,2746.85) ; v3@1833.54,1241.46 cw(c1842.07,1232.93) 1842.07,1245 cw(c1842.07,1257.07) v3@1833.54,1248.54 ; v3@1833.54,2741.46 cw(c1842.07,2732.93) 1842.07,2745 cw(c1842.07,2757.07) v3@1833.54,2748.54 ; 2053.46,1245 ccw(c2053.46,1263.39) v3@2066.46,1250.39 ; 2053.46,2745 ccw(c2053.46,2763.39) v3@2066.46,2750.39
CONFIG_PO9: U11.36 U12.1 | length 797.2
  Top Layer w11: U11.36@2388.78,1233.27 2418.27,1233.27 v3(2430,1245) ; U11.36@2388.78,2733.27 2418.27,2733.27 v3(2430,2745) ; v3@2425.5,1245 cw(c2414.64,1245) 2422.32,1237.32 cw(c2430,1229.64) v3@2430,1240.5 ; v3@2425.5,2745 cw(c2414.64,2745) 2422.32,2737.32 cw(c2430,2729.64) v3@2430,2740.5 ; v3@2670,1242.35 cw(c2670,1231.49) 2677.68,1239.17 cw(c2685.36,1246.85) v3@2674.5,1246.85 ; v3(2670,1246.85) 2683.58,1233.27 U12.1@2711.22,1233.27 ; v3@2670,2742.35 cw(c2670,2731.49) 2677.68,2739.17 cw(c2685.36,2746.85) v3@2674.5,2746.85 ; v3(2670,2746.85) 2683.58,2733.27 U12.1@2711.22,2733.27
  Mid-Layer 2 w10: v3(2430,1245) v3@2668.15,1245 ; v3(2430,2745) v3@2668.15,2745 ; v3@2433.54,1241.46 cw(c2442.07,1232.93) 2442.07,1245 cw(c2442.07,1257.07) v3@2433.54,1248.54 ; v3@2433.54,2741.46 cw(c2442.07,2732.93) 2442.07,2745 cw(c2442.07,2757.07) v3@2433.54,2748.54 ; 2653.46,1245 ccw(c2653.46,1263.39) v3@2666.46,1250.39 ; 2653.46,2745 ccw(c2653.46,2763.39) v3@2666.46,2750.39
CONFIG_PO10: U12.36 | length 126.3
  Top Layer w11: U12.36@2988.78,1233.27 3018.27,1233.27 v3(3030,1245) ; U12.36@2988.78,2733.27 3018.27,2733.27 v3(3030,2745) ; v3@3025.5,1245 cw(c3014.64,1245) 3022.32,1237.32 cw(c3030,1229.64) v3@3030,1240.5 ; v3@3025.5,2745 cw(c3014.64,2745) 3022.32,2737.32 cw(c3030,2729.64) v3@3030,2740.5